# Altium PCB 6 Layers.PcbDoc (continued)
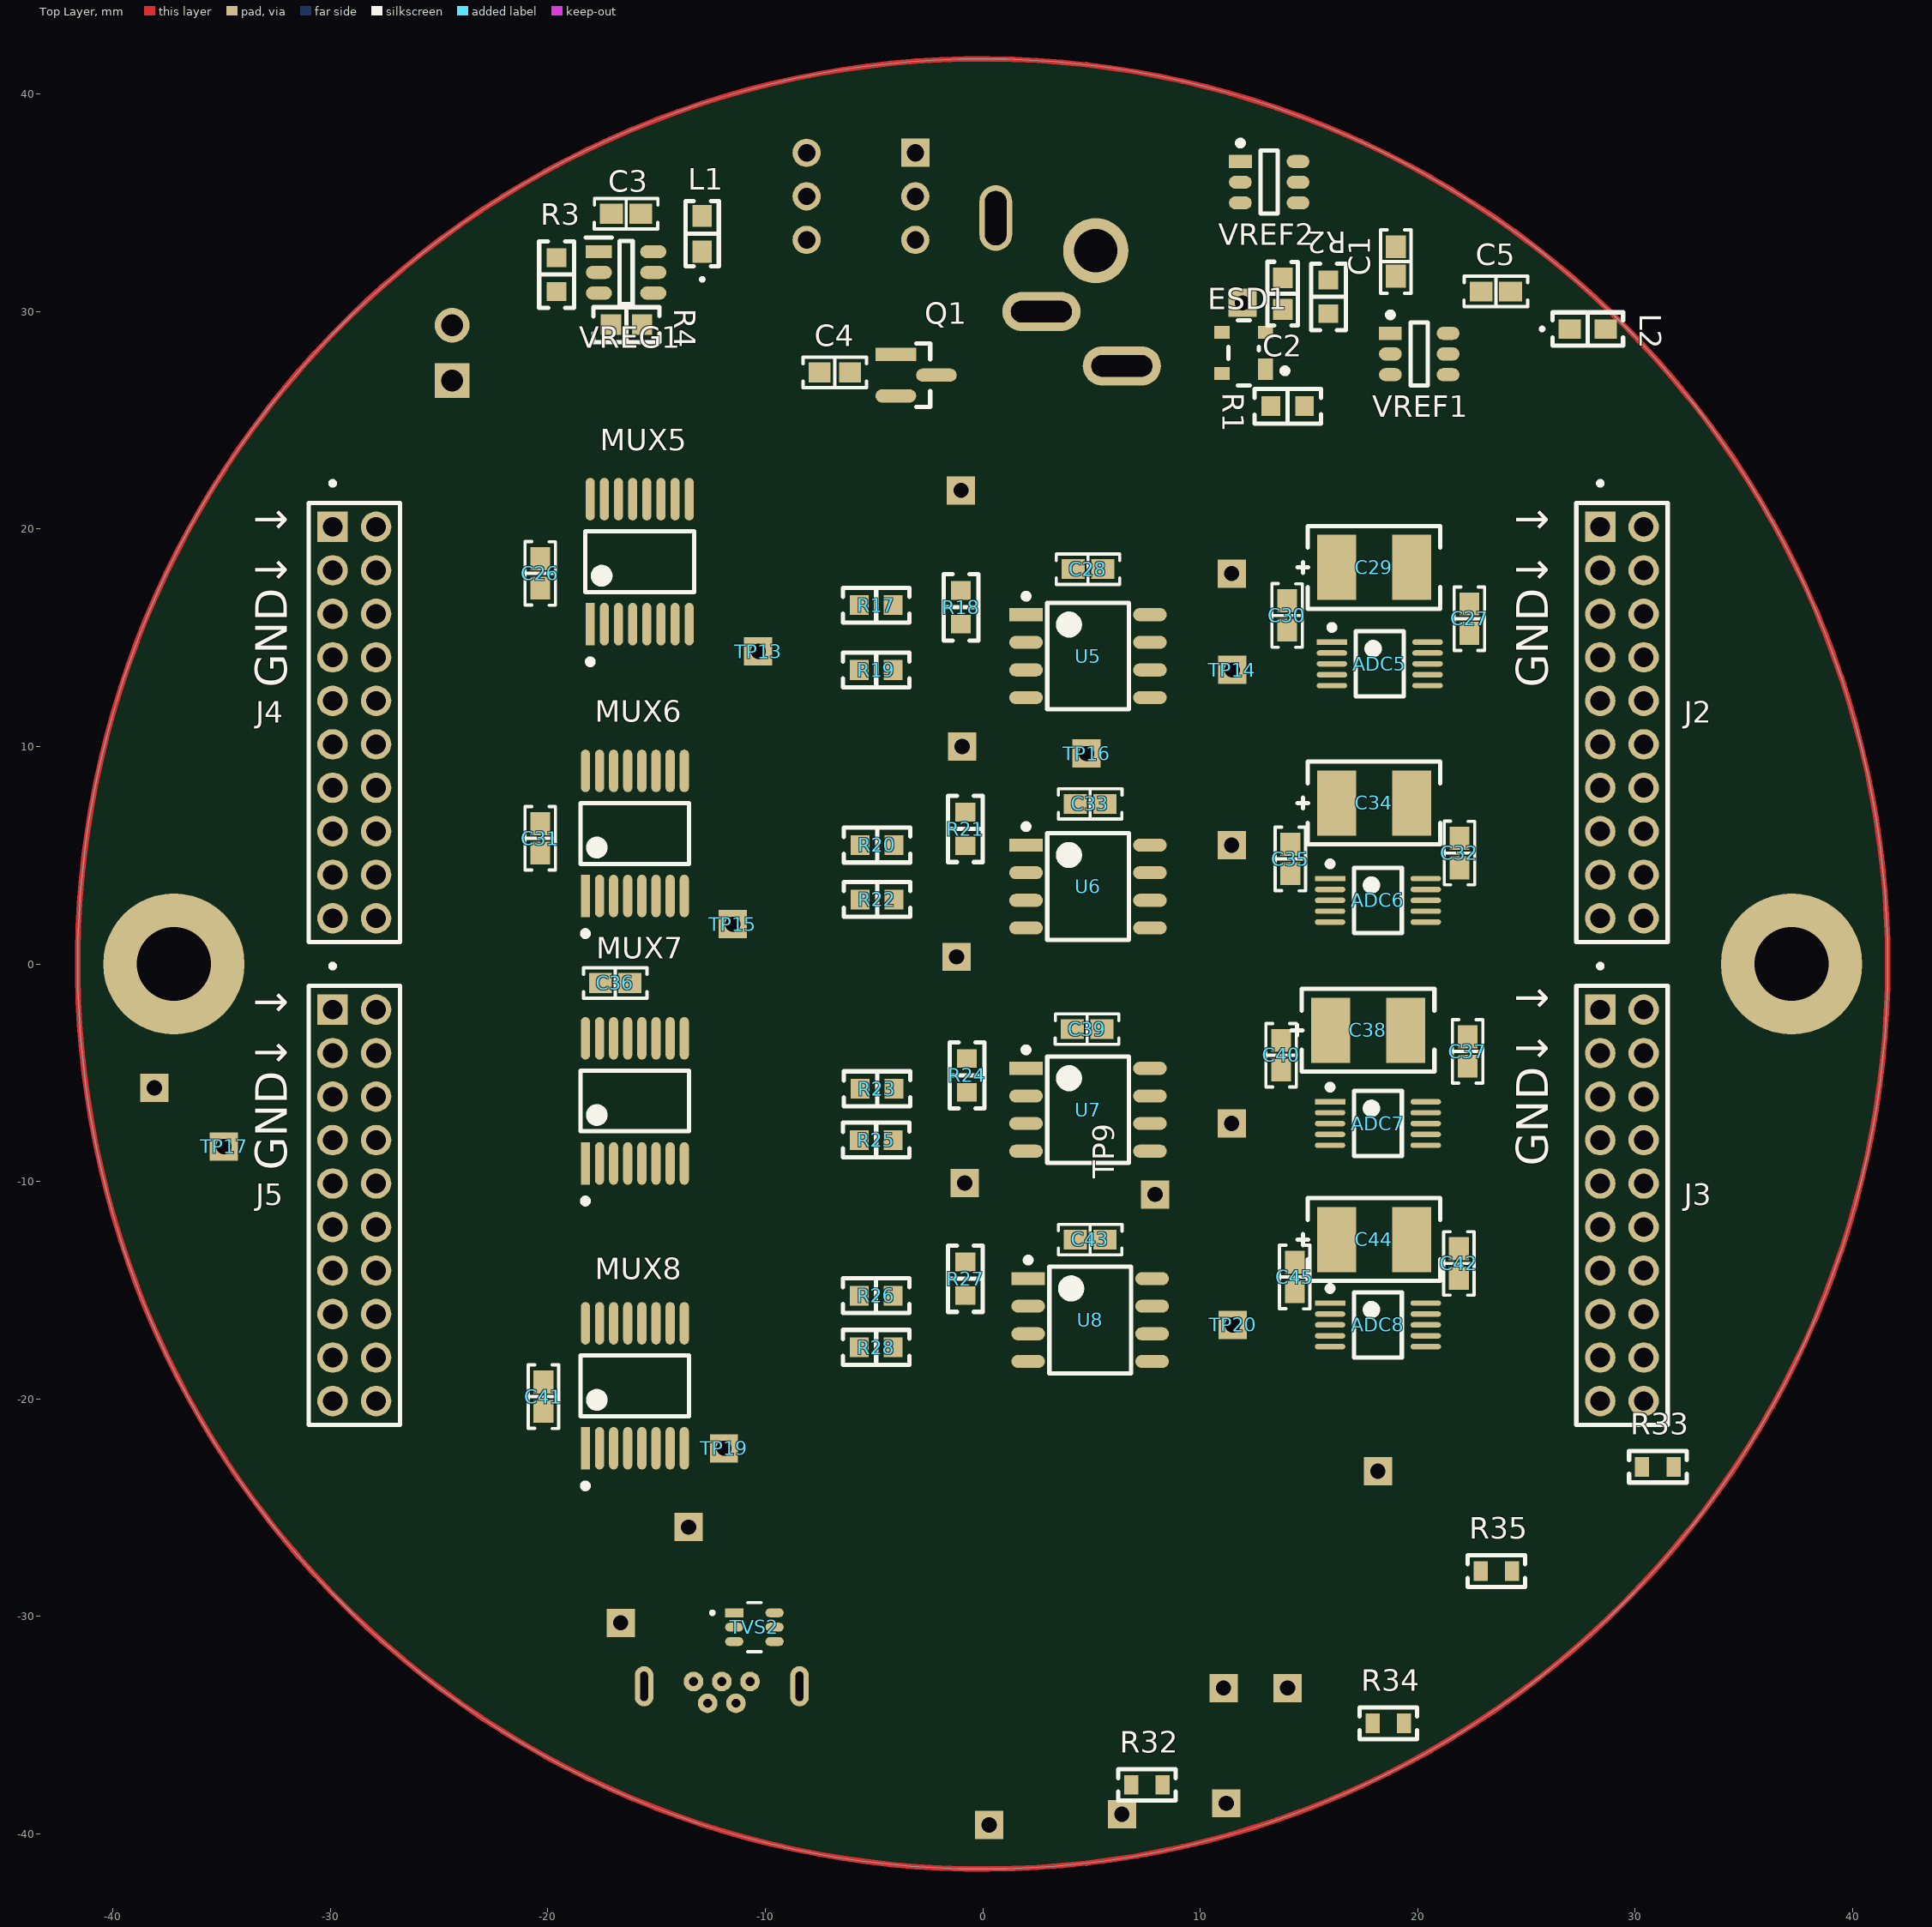
[diagram p0: Top Layer view]
## Part data (continued)
D1: library part "Schottky Diode 30V", "Schottky Diode 30 V 500mA Surface Mount SOD-323", Capacitance @ Vr, F="10pF @ 1V, 1MHz", Current - Average Rectified (Io)="500mA (DC)", Current - Reverse Leakage @ Vr="200µA @ 30V", Manufacturer="ON Semiconductor", Operating Temperature - Junction="-55°C ~ 150°C", Package / Case="SC-76, SOD-323", Supplier Device Package=SOD-323, Supplier Part Number 1=NSR0530HT1GOSCT-ND, Voltage - DC Reverse (Vr) (Max)=30V, Voltage - Forward (Vf) (Max) @ If="620mV @ 500mA", ComponentLink1Description=Datasheet, ComponentLink1URL=http://www.onsemi.com/pub/Collateral/NSR0530H-D.PDF, ComponentLink2Description="DigiKey Link", ComponentLink2URL=http://digikey.com/product-detail/en/on-semiconductor/NSR0530HT1G/NSR0530HT1GOSCT-ND/5761654, Diode Type=Schottky, lastupdated="2023-03-06 21:08:52", Lifecycle Status=Active, Minimum Order=1, Mounting Type="Surface Mount", Packaging=TapeAndReel, Part Number=NSR0530HT1G, Part Status=Active, partid=3077, price=0.03, Series=-, Speed="Fast Recovery =< 500ns, > 200mA (Io)", Supplier 1=Digi-Key, Supplier 2=Digi-Key, Supplier 3=Digi-Key, Supplier Part Number 2=NSR0530HT1GOSDKR-ND, Supplier Part Number 3=NSR0530HT1GOSTR-ND
ESD1: library part "TVS Diode Array Ultra-Low Capacitance", "Clamp Ipp Tvs Diode Surface Mount SOT-143B", Supplier Part Number 1=1727-3884-1-ND, Supplier 1=Digi-Key, Supplier 2=Digi-Key, Supplier 3=Digi-Key, Supplier Part Number 2=1727-3884-6-ND, Supplier Part Number 3=1727-3884-2-ND
FB1 FB2: library part "Ferrite Bead 0R SMD 0603", "0Ω 1 Power Line Ferrite Bead 0603 (1608 Metric) 6A 20mOhm", Current Rating (Max)=6A, DC Resistance (DCR) (Max)=20mOhm, Device Package="0603 (1608 Metric)", Impedance @ Frequency="0 Ohms @ 100 MHz", Manufacturer="Eaton - Electronics Division", Operating Temperature="-40°C ~ 85°C", Supplier Part Number 1=283-MFBM1V1608-000-RCT-ND, ComponentLink1Description=Datasheet, ComponentLink1URL=https://www.eaton.com/content/dam/eaton/products/electronic-components/resources/data-sheet/eaton-mfbm1v1608-high-current-multilayer-ferrite-chip-bead-data-sheet.pdf, ComponentLink2Description="DigiKey Link", ComponentLink2URL=https://www.digikey.com/en/products/detail/eaton-electronics-division/MFBM1V1608-000-R/13161356, Filter Type="Power Line", Height (Max)="0.039\" (1.00mm)", lastupdated="2023-03-12 7:51:35 PM", Lifecycle Status=Active, Minimum Order=1, Mounting Type="Surface Mount", Number of Lines=1, Package / Case="0603 (1608 Metric)", Packaging=TapeAndReel, Part Number=MFBM1V1608-000-R, Part Status=Active, partid=2605, price=0.01, Series=MFBM1V1608, Size / Dimension="0.063\" L x 0.031\" W (1.60mm x 0.80mm)", Supplier 1=Digi-Key, Supplier 2=Digi-Key, Supplier Part Number 2=283-MFBM1V1608-000-RDKR-ND
J1: library part "DC Power Jack 2.5 mm Vertical", "Power Barrel Connector Jack 2.50mm ID (0.098\"), 5.50mm OD (0.217\") Through Hole", Current Rating=5A, Max Operating Temperature=85°C, Min Operating Temperature=-25°C, Supplier Part Number 1=102-5562-1-ND, Voltage Rating=25V, Contact Material="Brass, Copper Alloy", Contact Material - Plating=Silver, Housing Material="Polyamide (PA10T), Nylon 10T", Shielding=Shielded, Supplier 1=Digi-Key, Supplier 2=Digi-Key, Supplier Part Number 2=102-5562-2-ND
J2 J3 J4 J5: library part "Headers 20 Pos TH 0.079\" 4-3", "Connector Header Through Hole 20 position 0.079\" (2.00mm)", Supplier Part Number 1=2073-BF050-20-A-B-0400-0300-L-G-ND, Supplier 1=Digi-Key
L1 L2: library part "Inductor 4.7 µH SMT 0603", "4.7 µH Shielded Multilayer Inductor 15 mA 2.1Ohm Max 0603 (1608 Metric)", Case Code (Imperial)=1206, Max Operating Temperature=125°C, Min Operating Temperature=-55°C, Self Resonant Frequency=41MHz, Supplier Part Number 1=541-4369-1-ND, Tolerance=10%, ComponentLink1Description=Datasheet, ComponentLink1URL=https://www.vishay.com/docs/34029/ilsb1206.pdf, Core Material=Ferrite, Depth=1.8mm, Supplier 1=Digi-Key, Supplier 2=Digi-Key, Supplier Part Number 2=541-4369-6-ND, Weight=0.000353oz, Width=1.6mm
LED1: library part "LED Green 3mm Vertical", "Green 530nm LED Indication - Discrete 3.2V Radial", Operating Voltage=3.2V, Supplier Part Number 1=732-5012-ND, Supplier 1=Digi-Key
M1 M2: library part "Standoff M3 7mm", "Hex Standoff Threaded M3x0.5 Brass 0.276\" (7.00mm)", Supplier Part Number 1=952-1498-ND, Supplier 1=Digi-Key
MUX1 MUX2 MUX3 MUX4 MUX5 MUX6 MUX7 MUX8: library part "MUX Analog 8:1", "5-V, 8: 1, 1-channel general-purpose analog multiplexer with 1.8-V input logic 16-TSSOP -40 to 125", Supplier Part Number 1=296-51847-1-ND, ComponentLink1Description=Datasheet, ComponentLink1URL=https://www.ti.com/lit/ds/symlink/tmux1208.pdf?HQS=dis-dk-null-digikeymode-dsf-pf-null-wwe&ts=1678139087624&ref_url=https%253A%252F%252Fwww.ti.com%252Fgeneral%252Fdocs%252Fsuppproductinfo.tsp%253FdistId%253D10%2526gotoUrl%253Dhttps%253A%252F%252Fwww.ti.com%252Flit%252Fgpn%252Ftmux1208, Supplier 1=Digi-Key, Supplier 2=Digi-Key, Supplier 3=Digi-Key, Supplier Part Number 2=296-51847-6-ND, Supplier Part Number 3=296-51847-2-ND
Q1: library part "MOSFET P-Channel 30V SMD", "P-Channel 30 V 2.3A (Ta) 1.25W (Ta) Surface Mount Micro3™/SOT-23", Current - Continuous Drain (Id) @ 25°C="2.3A (Ta)", Drain to Source Voltage (Vdss)="30 V", Drive Voltage (Max Rds On,  Min Rds On)="4.5V, 10V", Input Capacitance (Ciss) (Max) @ Vds="160 pF @ 25 V", Manufacturer="Infineon Technologies", Operating Temperature="-55°C ~ 150°C (TJ)", Package / Case="TO-236-3, SC-59, SOT-23-3", Power Dissipation (Max)="1.25W (Ta)", Supplier Device Package=Micro3™/SOT-23, Supplier Part Number 1=IRLML9303TRPBFCT-ND, ComponentLink1Description=Datasheet, ComponentLink1URL=https://www.infineon.com/dgdl/irlml9303pbf.pdf?fileId=5546d462533600a401535668ef1d2642, ComponentLink2Description="DigiKey Link", ComponentLink2URL=https://www.digikey.com/en/products/detail/infineon-technologies/IRLML9303TRPBF/2354147, FET Type=P-Channel, Gate Charge (Qg) (Max) @ Vgs="2 nC @ 4.5 V", lastupdated="2023-03-05 21:05:43", Lifecycle Status=Active, Minimum Order=1, Mounting Type="Surface Mount", Packaging=TapeAndReel, Part Number=IRLML9303TRPBF, Part Status=Active, price=0.11, Rds On (Max) @ Id, Vgs="165mOhm @ 2.3A, 10V", Series=HEXFET®, Supplier 1=Digi-Key, Supplier 2=Digi-Key, Supplier 3=Digi-Key, Supplier Part Number 2=IRLML9303TRPBFDKR-ND, Supplier Part Number 3=IRLML9303TRPBFTR-ND, Technology="MOSFET (Metal Oxide)", Vgs (Max)=±20V, Vgs(th) (Max) @ Id="2.4V @ 10µA"
R1: library part "Res 2K61 1% SMT 0603", "2.61 kOhms ±1% 0.1W, 1/10W Chip Resistor 0603 (1608 Metric) Moisture Resistant Thick Film", Device Package="0603 (1608 Metric)", Manufacturer=Yageo, Operating Temperature="-55°C ~ 155°C", Power (Watts)="0.1W, 1/10W", Resistance=2K61, Supplier Device Package=0603, Supplier Part Number 1=311-2.61KHRCT-ND, Temperature Coefficient=±100ppm/°C, Tolerance=±1%, ComponentLink1Description=Datasheet, ComponentLink1URL=https://www.yageo.com/upload/media/product/productsearch/datasheet/rchip/PYu-RC_Group_51_RoHS_L_10.pdf, ComponentLink2Description="DigiKey Link", ComponentLink2URL=https://www.digikey.com/en/products/detail/yageo/RC0603FR-072K61L/727030, Composition="Thick Film", Features="Moisture Resistant", Height - Seated (Max)="0.022\" (0.55mm)", lastupdated="2023-03-10 20:29:10", Lifecycle Status=Active, Minimum Order=1, Number of Terminations=2, Package / Case="0603 (1608 Metric)", Packaging=CutTape, Part Number=RC0603FR-072K61L, Part Status=Active, partid=19094, price=0.01, Series=RC_L, Size / Dimension="0.063\" L x 0.031\" W (1.60mm x 0.80mm)", Supplier 1=Digi-Key, Supplier 2=Digi-Key, Supplier 3=Digi-Key, Supplier Part Number 2=311-2.61KHRDKR-ND, Supplier Part Number 3=311-2.61KHRTR-ND
R2: library part "Res 4K64 1% SMT 0603", "4.64 kOhms ±1% 0.1W, 1/10W Chip Resistor 0603 (1608 Metric) Moisture Resistant Thick Film", Device Package="0603 (1608 Metric)", Manufacturer=Yageo, Operating Temperature="-55°C ~ 155°C", Power (Watts)="0.1W, 1/10W", Resistance=4K64, Supplier Device Package=0603, Supplier Part Number 1=311-4.64KHRCT-ND, Temperature Coefficient=±100ppm/°C, Tolerance=±1%, ComponentLink1Description=Datasheet, ComponentLink1URL=https://www.yageo.com/upload/media/product/productsearch/datasheet/rchip/PYu-RC_Group_51_RoHS_L_10.pdf, ComponentLink2Description="DigiKey Link", ComponentLink2URL=https://www.digikey.com/en/products/detail/yageo/RC0603FR-074K64L/727211, Composition="Thick Film", Features="Moisture Resistant", Height - Seated (Max)="0.022\" (0.55mm)", lastupdated="2023-03-10 20:29:36", Lifecycle Status=Active, Minimum Order=1, Number of Terminations=2, Package / Case="0603 (1608 Metric)", Packaging=CutTape, Part Number=RC0603FR-074K64L, Part Status=Active, partid=12437, price=0.01, Series=RC_L, Size / Dimension="0.063\" L x 0.031\" W (1.60mm x 0.80mm)", Supplier 1=DigiKey
R3: "RES 22.1K OHM 1% 1/10W 0603", Device Package="0603 (1608 Metric)", Manufacturer=Yageo, Operating Temperature="-55°C ~ 155°C", Part Number=RC0603FR-0722K1L, Power (Watts)="0.1W, 1/10W", Resistance=22K1, Supplier Device Package=0603, Supplier Part Number 1=311-22.1KHRCT-ND, Temperature Coefficient=±100ppm/°C, Tolerance=±1%, ComponentLink1Description=Datasheet, ComponentLink1URL=https://www.yageo.com/upload/media/product/productsearch/datasheet/rchip/PYu-RC_Group_51_RoHS_L_10.pdf, ComponentLink2Description="DigiKey Link", ComponentLink2URL=https://www.digikey.com/en/products/detail/yageo/RC0603FR-0722K1L/727058, Composition="Thick Film", Features="Moisture Resistant", Height - Seated (Max)="0.022\" (0.55mm)", lastupdated="2023-03-08 20:29:23", Lifecycle Status=Active, Minimum Order=1, Number of Terminations=2, Package / Case="0603 (1608 Metric)", Packaging=CutTape, Part Status=Active, partid=19017, price=0.01, Series=RC_L, Size / Dimension="0.063\" L x 0.031\" W (1.60mm x 0.80mm)", Supplier 1=Digi-Key, Supplier 2=Digi-Key, Supplier 3=Digi-Key, Supplier Part Number 2=311-22.1KHRDKR-ND, Supplier Part Number 3=311-22.1KHRTR-ND
R4: "88.7 kΩ ±1% 0.1W, 1/10W Chip Resistor 0603 (1608 Metric) Automotive AEC-Q200 Thick Film", Device Package="0603 (1608 Metric)", Manufacturer="Vishay Dale", Operating Temperature="-55°C ~ 155°C", Part Number=CRCW060388K7FKEB, Power (Watts)="0.1W, 1/10W", Ratings=AEC-Q200, Resistance=88K7, Supplier Device Package=0603, Supplier Part Number 1=541-CRCW060388K7FKEBCT-ND, Temperature Coefficient=±100ppm/°C, Tolerance=±1%, ComponentLink1Description=Datasheet, ComponentLink1URL=http://www.vishay.com/docs/20035/dcrcwe3.pdf, ComponentLink2Description="DigiKey Link", ComponentLink2URL=https://www.digikey.com/en/products/detail/vishay-dale/CRCW060388K7FKEB/5073407, Composition="Thick Film", Features="Automotive AEC-Q200", Height - Seated (Max)="0.020\" (0.50mm)", lastupdated="2023-03-06 20:27:22", Lifecycle Status=Active, Minimum Order=1, Number of Terminations=2, Package / Case="0603 (1608 Metric)", Packaging=CutTape, Part Status=Active, partid=56612, price=0.01, Series=CRCW, Size / Dimension="0.063\" L x 0.033\" W (1.60mm x 0.85mm)", Supplier 1=Digi-Key, Supplier 2=Digi-Key, Supplier Part Number 2=541-CRCW060388K7FKEBDKR-ND
R5 R6 R7 R8 R9 R10 R11 R12 R13 R14 R15 R16 R17 R18 R19 R20 R21 R22 R23 R24 R25 R26 R27 R28: "10 kΩ  ±0.1% 0.1W, 1/10W Chip Resistor 0603 (1608 Metric) Thin Film", Device Package="0603 (1608 Metric)", Manufacturer=Yageo, Operating Temperature="-55°C ~ 155°C", Part Number=RT0603BRD0710KL, Power (Watts)="0.1W, 1/10W", Resistance=10K, Supplier Device Package=0603, Supplier Part Number 1=YAG1236CT-ND, Temperature Coefficient=±25ppm/°C, Tolerance=±0.1%, ComponentLink1Description=Datasheet, ComponentLink1URL=https://www.yageo.com/upload/media/product/productsearch/datasheet/rchip/PYu-RT_1-to-0.01_RoHS_L_11.pdf, ComponentLink2Description="DigiKey Link", ComponentLink2URL=https://www.digikey.com/en/products/detail/yageo/RT0603BRD0710KL/1072198, Composition="Thin Film", Height - Seated (Max)="0.022\" (0.55mm)", lastupdated="2023-03-06 20:27:57", Lifecycle Status=Active, Minimum Order=1, Number of Terminations=2, Package / Case="0603 (1608 Metric)", Packaging=TapeAndReel, Part Status=Active, partid=22611, price=0.03, Series=RT, Size / Dimension="0.063\" L x 0.031\" W (1.60mm x 0.80mm)", Supplier 1=Digi-Key, Supplier 2=Digi-Key, Supplier 3=Digi-Key, Supplier Part Number 2=YAG1236DKR-ND, Supplier Part Number 3=YAG1236TR-ND
R31 R32 R33 R34 R35: library part "Res 0R SMT 0603", "0 Ohms Jumper Chip Resistor 0603 (1608 Metric) Automotive AEC-Q200 Thick Film", Device Package="0603 (1608 Metric)", Manufacturer=Yageo, Operating Temperature="-55°C ~ 155°C", Part Number=RC0603FR-070RL, Power (Watts)="0.1W, 1/10W", Resistance=0R, Supplier Device Package=0603, Supplier Part Number 1=RMCF0603ZT0R00CT-ND, Tolerance=Jumper, ComponentLink1Description=Datasheet, ComponentLink1URL=https://www.yageo.com/upload/media/product/productsearch/datasheet/rchip/PYu-RC_Group_51_RoHS_L_10.pdf, ComponentLink2Description="DigiKey Link", ComponentLink2URL=https://www.digikey.com/en/products/detail/yageo/RC0603FR-070RL/1304008, Composition="Thick Film", Features="Moisture Resistant", Height - Seated (Max)="0.022\" (0.55mm)", lastupdated="2023-03-11 8:29:20 PM", Lifecycle Status=Active, Minimum Order=1, Number of Terminations=2, Package / Case="0603 (1608 Metric)", Packaging=CutTape, Part Status=Active, partid=22614, price=0.01, Series=RC_L, Size / Dimension="0.063\" L x 0.031\" W (1.60mm x 0.80mm)", Supplier 1=Digi-Key, Supplier 2=Digi-Key, Supplier 3=Digi-Key, Supplier Part Number 2=RMCF0603ZT0R00DKR-ND, Supplier Part Number 3=RMCF0603ZT0R00TR-ND
S1: library part "SW DPDT Pushbutton V2", "Pushbutton Switch DPDT Standard Through Hole", Supplier Part Number 1=EG6030-ND, Code_IPC=SOT26A-6, Code_JEITA=SC-74, LatestRevisionDate=29-May-2009, LatestRevisionNote="IPC-7351 Footprint Added.", PackageDescription="6-Pin SOT-23 Package 0.95 mm Pitch, 2.7 mm Lead Span", PackageReference=SOT23-6, PackageVersion=Mar-2001, Published=24-Mar-1999, Publisher="Altium Limited", Supplier 1=Digi-Key
TVS2: "25V Clamp 6A (8/20µs) Ipp Tvs Diode Surface Mount SC-70-6", Supplier Part Number 1=RCLAMP0504FATCTCT-ND, Supplier 1=Digi-Key, Supplier 2=Digi-Key, Supplier 3=Digi-Key, Supplier Part Number 2=RCLAMP0504FATCTDKR-ND, Supplier Part Number 3=RCLAMP0504FATCTTR-ND
U1 U2 U3: library part "Instrumentation Op Amp 35 MHz 8 pins", "Instrumentation Amplifier 1 Circuit Rail-to-Rail 8-SOIC", Supplier Part Number 1=MCP6N11-100E/SN-ND, Supplier 1=Digi-Key
U4 U5 U6 U7 U8: "Instrumentation Amplifier 1 Circuit Rail-to-Rail 8-SOIC", Supplier Part Number 1=MCP6N11-100E/SN-ND, Supplier 1=Digi-Key
USB1: library part "USB Micro-AB Connector A", "USB - Micro AB 2.0 Receptacle Connector 5 Position, Vertical, Through Hole with 2.30 mm (Standard) Shell Stakes, 5-Pin THD, RoHS, Tape and Reel", Supplier Part Number 1=18X0232, Supplier 1=Newark
VREF1 VREF3: "Series Voltage Reference IC Fixed 3.3V V ±0.1% 20 mA SOT-23-6", Case/Package=SOT-23-6, Max Operating Temperature=125°C, Min Operating Temperature=-40°C, Min Output Voltage=3.3V, Operating Supply Current=550μA, Output Current=20mA, Supplier Part Number 1=MCP1501T-33E/CHYCT-ND, Temperature Coefficient=50ppm/°C, Tolerance=0.08%, ComponentLink1Description=Datasheet, ComponentLink1URL=https://ww1.microchip.com/downloads/aemDocuments/documents/MSLD/ProductDocuments/DataSheets/MCP1501-Data-Sheet-DS20005474F.pdf, Output Type=Fixed, Reference Type=Series, Supplier 1=Digi-Key, Supplier 2=Digi-Key, Supplier 3=Digi-Key, Supplier Part Number 2=MCP1501T-33E/CHYDKR-ND, Supplier Part Number 3=MCP1501T-33E/CHYTR-ND
VREF2: "Series Voltage Reference IC Fixed 1.8V V ±0.1% 20 mA SOT-23-6", Case/Package=SOT-23-6, Max Operating Temperature=125°C, Min Operating Temperature=-40°C, Min Output Voltage=1.8V, Operating Supply Current=550μA, Output Current=20mA, Supplier Part Number 1=MCP1501T-18E/CHYCT-ND, Temperature Coefficient=50ppm/°C, Tolerance=0.08%, ComponentLink1Description=Datasheet, ComponentLink1URL=https://ww1.microchip.com/downloads/aemDocuments/documents/MSLD/ProductDocuments/DataSheets/MCP1501-Data-Sheet-DS20005474F.pdf, Output Type=Fixed, Reference Type=Series, Supplier 1=Digi-Key, Supplier 2=Digi-Key, Supplier Part Number 2=MCP1501T-18E/CHYDKR-ND
VREG1: "Buck Switching Regulator IC Positive Adjustable 1V 1 Output 1A SOT-23-6", Arrow Part Number=LMR50410YFQDBVRQ1, Manufacturer_Name="Texas Instruments", Mouser Part Number=595-MR50410YFQDBVRQ1, Supplier Part Number 1=296-LMR50410YFQDBVRQ1CT-ND, Arrow Price/Stock=https://www.arrow.com/en/products/lmr50410yfqdbvrq1/texas-instruments?region=nac, Datasheet Link=https://www.ti.com/product/LMR50410-Q1, Height=1.45mm, Manufacturer_Part_Number=LMR50410YFQDBVRQ1, Mouser Price/Stock=https://www.mouser.co.uk/ProductDetail/Texas-Instruments/LMR50410YFQDBVRQ1?qs=81r%252BiQLm7BRUAgUFqYZycA%3D%3D, Supplier 1=Digi-Key, Supplier 2=Digi-Key, Supplier 3=Digi-Key, Supplier Part Number 2=296-LMR50410YFQDBVRQ1DKR-ND, Supplier Part Number 3=296-LMR50410YFQDBVRQ1TR-ND
Y1: library part "Crystal Abracon ABS07", "32.768 kHz ±20ppm Crystal 6pF 55 kOhms 2-SMD, No Lead", ESR (Equivalent Series Resistance)="55 kOhms", Frequency="32.768 kHz", Frequency Tolerance=±20ppm, Load Capacitance=6pF, Manufacturer="Abracon LLC", Operating Mode=Fundamental, Operating Temperature="-40°C ~ 85°C", Package / Case="2-SMD, No Lead", Supplier Part Number 1=535-11937-1-ND, ComponentLink1Description=Datasheet, ComponentLink1URL=https://abracon.com/Resonators/ABS07-120-32.768kHz-T.pdf, ComponentLink2Description="DigiKey Link", ComponentLink2URL=https://www.digikey.com/en/products/detail/abracon-llc/ABS07-120-32-768KHZ-T/3724043, Height - Seated (Max)="0.035\" (0.90mm)", lastupdated="2023-03-06 20:57:22", Lifecycle Status=Active, Minimum Order=1, Mounting Type="Surface Mount", Packaging=TapeAndReel, Part Number=ABS07-120-32.768KHZ-T, Part Status=Active, partid=385, price=0.44, Series=ABS07, Size / Dimension="0.126\" L x 0.059\" W (3.20mm x 1.50mm)", Supplier 1=Digi-Key, Supplier 2=Digi-Key, Supplier 3=Digi-Key, Supplier Part Number 2=535-11937-6-ND, Supplier Part Number 3=535-11937-2-ND, Type="kHz Crystal (Tuning Fork)"

## Nets (pads, with @x,y where several pads share a name; then routed paths per layer and width w, separated by ;. In a path a pad name is that pad's centre, name@x,y a point inside that pad or via, vN(x,y) a via of type N, cw(c..) or ccw(c..) an arc to the next point about the centre after c; other vN are vias at no path point)
+1.8: ADC1.2 ADC2.2 ADC3.2 ADC4.2 ADC5.2 ADC6.2 ADC7.2 ADC8.2 C10.1 C15.1 C20.1 C25.1 C30.1 C35.1 C40.1 C45.1
+3.3: ADC1.1 ADC2.1 ADC3.1 ADC4.1 ADC5.1 ADC6.1 ADC7.1 ADC8.1 C9.2 C14.2 C19.2 C24.2 C29.2 C34.2 C38.2 C44.2 R5.1 R7.1 R8.1 R10.1 R11.1 R13.1 R14.1 R16.1 R17.1 R19.1 R20.1 R22.1 R23.1 R25.1 R26.1 R28.1 TP1.1 TP3.1 VREF1.1 VREF2.1
+5: ADC1.9 ADC1.10 ADC2.9 ADC2.10 ADC3.9 ADC3.10 ADC4.9 ADC4.10 ADC5.9 ADC5.10 ADC6.9 ADC6.10 ADC7.9 ADC7.10 ADC8.9 ADC8.10 C1.2 C4.2 C5.2 C6.2 C7.1 C8.1 C11.2 C12.1 C13.1 C16.2 C17.1 C18.1 C21.2 C22.1 C23.1 C26.2 C27.1 C28.1 C31.2 C32.1 C33.1 C36.2 C37.1 C39.1 C41.2 C42.1 C43.1 L1.2 MUX1.2 MUX1.13 MUX2.2 MUX2.13 MUX3.2 MUX3.13 MUX4.2 MUX4.13 MUX5.2 MUX5.13 MUX6.2 MUX6.13 MUX7.2 MUX7.13 MUX8.2 MUX8.13 R1.1 R4.2 U1.7 U1.8 U2.7 U2.8 U3.7 U3.8 U4.7 U4.8 U5.7 U5.8 U6.7 U6.8 U7.7 U7.8 U8.7 U8.8 VREF1.4 VREF2.4
A0: ATSAMD1.3
A1: ATSAMD1.47
A2: ATSAMD1.48
AGND: ADC1.4 ADC1.5 ADC2.4 ADC2.5 ADC3.4 ADC3.5 ADC4.4 ADC4.5 ADC5.4 ADC5.5 ADC6.4 ADC6.5 ADC7.4 ADC7.5 ADC8.4 ADC8.5 C8.2 C9.1 C10.2 C13.2 C14.1 C15.2 C18.2 C19.1 C20.2 C23.2 C24.1 C25.2 C28.2 C29.1 C30.2 C33.2 C34.1 C35.2 C38.1 C39.2 C40.2 C43.2 C44.1 C45.2 L2.2 R6.2 R9.2 R12.2 R15.2 R18.2 R21.2 R24.2 R27.2 U1.4 U1.5 U2.4 U2.5 U3.4 U3.5 U4.4 U4.5 U5.4 U5.5 U6.4 U6.5 U7.4 U7.5 U8.4 U8.5
B1: J2.8 MUX2.4
B2: J2.12 MUX2.5
B3: J2.9 MUX2.6
B4: J2.10 MUX2.7
B5: J2.13 MUX2.12
B6: J2.7 MUX2.11
B7: J2.14 MUX2.10
B8: J2.6 MUX2.9
D0: ATSAMD1.31 MUX1.1 MUX2.1 MUX3.1 MUX4.1 MUX5.1 MUX6.1 MUX7.1 MUX8.1
D1: ATSAMD1.32 MUX1.16 MUX2.16 MUX3.16 MUX4.16 MUX5.16 MUX6.16 MUX7.16 MUX8.16
D2: ATSAMD1.15 MUX1.15 MUX2.15 MUX3.15 MUX4.15 MUX5.15 MUX6.15 MUX7.15 MUX8.15
D3: ATSAMD1.16
D4: ADC1.6 ATSAMD1.19
D5: ADC2.6 ATSAMD1.20
D6: ADC3.6 ATSAMD1.29
D7: ADC4.6 ATSAMD1.30
D8: ADC5.6 ATSAMD1.25
D11: ADC6.6 ATSAMD1.13
D12: ADC7.6 ATSAMD1.14
D13: ADC8.6 ATSAMD1.38
D14/TX: ATSAMD1.37
D_N: ATSAMD1.33 TP24.1 TVS2.6 USB1.2
D_P: ATSAMD1.34 TP25.1 TVS2.1 USB1.3
DGND: ATSAMD1.5 ATSAMD1.18 ATSAMD1.35 ATSAMD1.42 C2.1 C4.1 C6.1 C7.2 C11.1 C12.2 C16.1 C17.2 C21.1 C22.2 C26.1 C27.2 C31.1 C32.2 C36.1 C37.2 C41.1 C42.2 C47.1 C48.2 C49.1 C50.1 C51.1 C52.1 ESD1.1 ESD1.2 J1.3 J1.S1 J2.1 J2.2 J2.11 J2.20 J3.1 J3.2 J3.11 J3.20 J4.1 J4.2 J4.11 J4.20 J5.1 J5.2 J5.11 J5.20 L2.1 LED1.1 M1.1 M2.1 MUX1.14 MUX2.14 MUX3.14 MUX4.14 MUX5.14 MUX6.14 MUX7.14 MUX8.14 Q1.2 R2.1 R3.2 S1.3 TVS2.2 USB1.5 VREF1.2 VREF1.3 VREF1.5 VREF2.2 VREF2.3 VREF2.5 VREF3.2 VREF3.3 VREF3.5 VREG1.2
E1: J3.13 MUX4.4
E2: J3.10 MUX4.5
E3: J3.9 MUX4.6
E4: J3.12 MUX4.7
E5: J3.8 MUX4.12
E6: J3.14 MUX4.11
E7: J3.7 MUX4.10
E8: J3.15 MUX4.9
F1: J4.17 MUX5.4
F2: J4.5 MUX5.5
F3: J4.16 MUX5.6
F4: J4.6 MUX5.7
F5: J4.4 MUX5.12
F6: J4.18 MUX5.11
F7: J4.3 MUX5.10
F8: J4.19 MUX5.9
G1: J4.13 MUX6.4
G2: J4.12 MUX6.5
G3: J4.9 MUX6.6
G4: J4.10 MUX6.7
G5: J4.8 MUX6.12
G6: J4.14 MUX6.11
G7: J4.7 MUX6.10
G8: J4.15 MUX6.9
H1: J5.17 MUX7.4
H2: J5.5 MUX7.5
H3: J5.16 MUX7.6
H4: J5.6 MUX7.7
H5: J5.19 MUX7.12
H6: J5.3 MUX7.11
H7: J5.18 MUX7.10
H8: J5.4 MUX7.9
I1: J5.13 MUX8.4
I2: J5.12 MUX8.5
I3: J5.9 MUX8.6
I4: J5.10 MUX8.7
I5: J5.8 MUX8.12
I6: J5.14 MUX8.11
I7: J5.7 MUX8.10
I8: J5.15 MUX8.9
MISO: ADC1.7 ADC2.7 ADC3.7 ADC4.7 ADC5.7 ADC6.7 ADC7.7 ADC8.7 ATSAMD1.28 TP23.1
NetADC1_3: ADC1.3 TP6.1 U1.1 U1.6
NetADC2_3: ADC2.3 TP8.1 U2.1 U2.6
NetADC3_3: ADC3.3 TP10.1 U3.1 U3.6
NetADC4_3: ADC4.3 TP12.1 U4.1 U4.6
NetADC5_3: ADC5.3 TP14.1 U5.1 U5.6
NetADC6_3: ADC6.3 TP16.1 U6.1 U6.6
NetADC7_3: ADC7.3 TP18.1 U7.1 U7.6
NetADC8_3: ADC8.3 TP20.1 U8.1 U8.6
NetC1_1: C1.1 VREF1.6
NetC2_2: C2.2 S1.1 TP2.1 VREG1.4 VREG1.5
NetC3_1: C3.1 L1.1 TP4.1 VREG1.6
NetC3_2: C3.2 VREG1.1
NetC5_1: C5.1 VREF2.6
NetC46_2: C46.2 VREF3.4
NetC50_2: C50.2 FB2.1 TP22.1 TVS2.5 USB1.1
NetD1_1: D1.1 TVS2.3 USB1.4
NetESD1_3: ESD1.3 J1.2
NetESD1_4: ESD1.4 J1.1 Q1.1
NetFB1_2: FB1.2 TP21.1 VREF3.1
NetJ3_3: J3.3 MUX3.11
NetJ3_4: J3.4 MUX3.4
NetJ3_5: J3.5 MUX3.6
NetJ3_6: J3.6 MUX3.7
NetJ3_16: J3.16 MUX3.5
NetJ3_17: J3.17 MUX3.12
NetJ3_18: J3.18 MUX3.10
NetJ3_19: J3.19 MUX3.9
NetLED1_2: LED1.2 R1.2 R2.2
NetMUX1_8: MUX1.8 R7.2 TP5.1 U1.3
NetMUX2_8: MUX2.8 R10.2 TP7.1 U2.3
NetMUX3_8: MUX3.8 R13.2 TP9.1 U3.3
NetMUX4_8: MUX4.8 R16.2 TP11.1 U4.3
NetMUX5_8: MUX5.8 R19.2 TP13.1 U5.3
NetMUX6_8: MUX6.8 R22.2 TP15.1 U6.3
NetMUX7_8: MUX7.8 R25.2 TP17.1 U7.3
NetMUX8_8: MUX8.8 R28.2 TP19.1 U8.3
NetQ1_3: Q1.3 S1.2
NetR3_1: R3.1 R4.1 VREG1.3
NetR5_2: R5.2 R6.1 U1.2
NetR8_2: R8.2 R9.1 U2.2
NetR11_2: R11.2 R12.1 U3.2
NetR14_2: R14.2 R15.1 U4.2
NetR17_2: R17.2 R18.1 U5.2
NetR20_2: R20.2 R21.1 U6.2
NetR23_2: R23.2 R24.1 U7.2
NetR26_2: R26.2 R27.1 U8.2
NetTVS2_4: TVS2.4 USB1.6 USB1.7
SCLK: ADC1.8 ADC2.8 ADC3.8 ADC4.8 ADC5.8 ADC6.8 ADC7.8 ADC8.8 ATSAMD1.26
USBID: ATSAMD1.27 D1.2
VBUS: C46.1 C49.2 FB2.2 VREF3.6
VDDCORE: ATSAMD1.43
VDDIN: ATSAMD1.6 ATSAMD1.17 ATSAMD1.36 ATSAMD1.40 ATSAMD1.44 C47.2 C48.1 FB1.1 R31.1 R31.2
X1: J2.4 MUX1.4
X2: J2.16 MUX1.5
X3: J2.5 MUX1.6
X4: J2.15 MUX1.7
X5: J2.17 MUX1.12
X6: J2.3 MUX1.11
X7: J2.18 MUX1.10
X8: J2.19 MUX1.9
XIN32: ATSAMD1.1 C51.2 Y1.2
XOUT32: ATSAMD1.2 C52.2 Y1.1
pads on no net: ATSAMD1.4 ATSAMD1.7 ATSAMD1.8 ATSAMD1.9 ATSAMD1.10 ATSAMD1.11 ATSAMD1.12 ATSAMD1.21 ATSAMD1.22 ATSAMD1.23 ATSAMD1.24 ATSAMD1.39 ATSAMD1.41 ATSAMD1.45 ATSAMD1.46 MUX1.3 MUX2.3 MUX3.3 MUX4.3 MUX5.3 MUX6.3 MUX7.3 MUX8.3 R32.1 R32.2 R33.1 R33.2 R34.1 R34.2 R35.1 R35.2 S1.4 S1.5 S1.6
copper on no net: | length 261.5
  Top Layer w0.254: 41.625,0 ccw(c0,0) 41.625,0

## Polygon pours and split planes (outlines as drawn)
DGND on Int2 (Sign) "DGND" (solid, remove dead copper, pour order 11): -41.625,0 ccw(c0,0) 0,-41.625 ccw(c0,0) 41.625,0 ccw(c0,0) 0,41.625 ccw(c0,0)
AGND on Int2 (Sign) "AGND" (solid, remove dead copper, pour order 7): -15.5,-19 17.5,-19 17.5,26.5 -15.8,26.5
+5 on Int3 (Sign) "+5V-1" (solid, remove dead copper, pour order 13): -19.5,-23.5 -25,-23.5 -25,22.5 -19.5,22.5
+1.8 on Int3 (Sign) "+1.8V" (solid, remove dead copper, pour order 12): -14,-15 -9.5,-15 -9.5,22.5 -13.9,22.5

## Silkscreen, mask and mechanical layers (free items; w line width, h text height)
Top Overlay:
  text "GND↓ ↓" at -31.5,12.7 h2.5 r90
  text "GND↓ ↓" at 26.5,12.7 h2.5 r90
  text "GND↓ ↓" at 26.5,-9.3 h2.5 r90
  text "GND↓ ↓" at -31.5,-9.5 h2.5 r90
Bottom Overlay:
  lines w0.2: -37.2,0 0,0 37.2,0
  text "↓ ↓GND" at -31.5,21 h2.5 r90
  text "↓ ↓GND" at 26.7,20.6 h2.5 r90
  text "↓ ↓GND" at 26.7,-1.4 h2.5 r90
  text "↓ ↓GND" at -31.5,-1.5 h2.5 r90
  text "J3" at 35.146,-11.746 h1.52

## Text inside footprints (layer, text, board x,y; h text height)
LED1: Mechanical 15 "K" at -23.13,25.56 h0.76 r90